# Altium PCB eps-flight.PcbDoc (part 2 of 4) (continued)
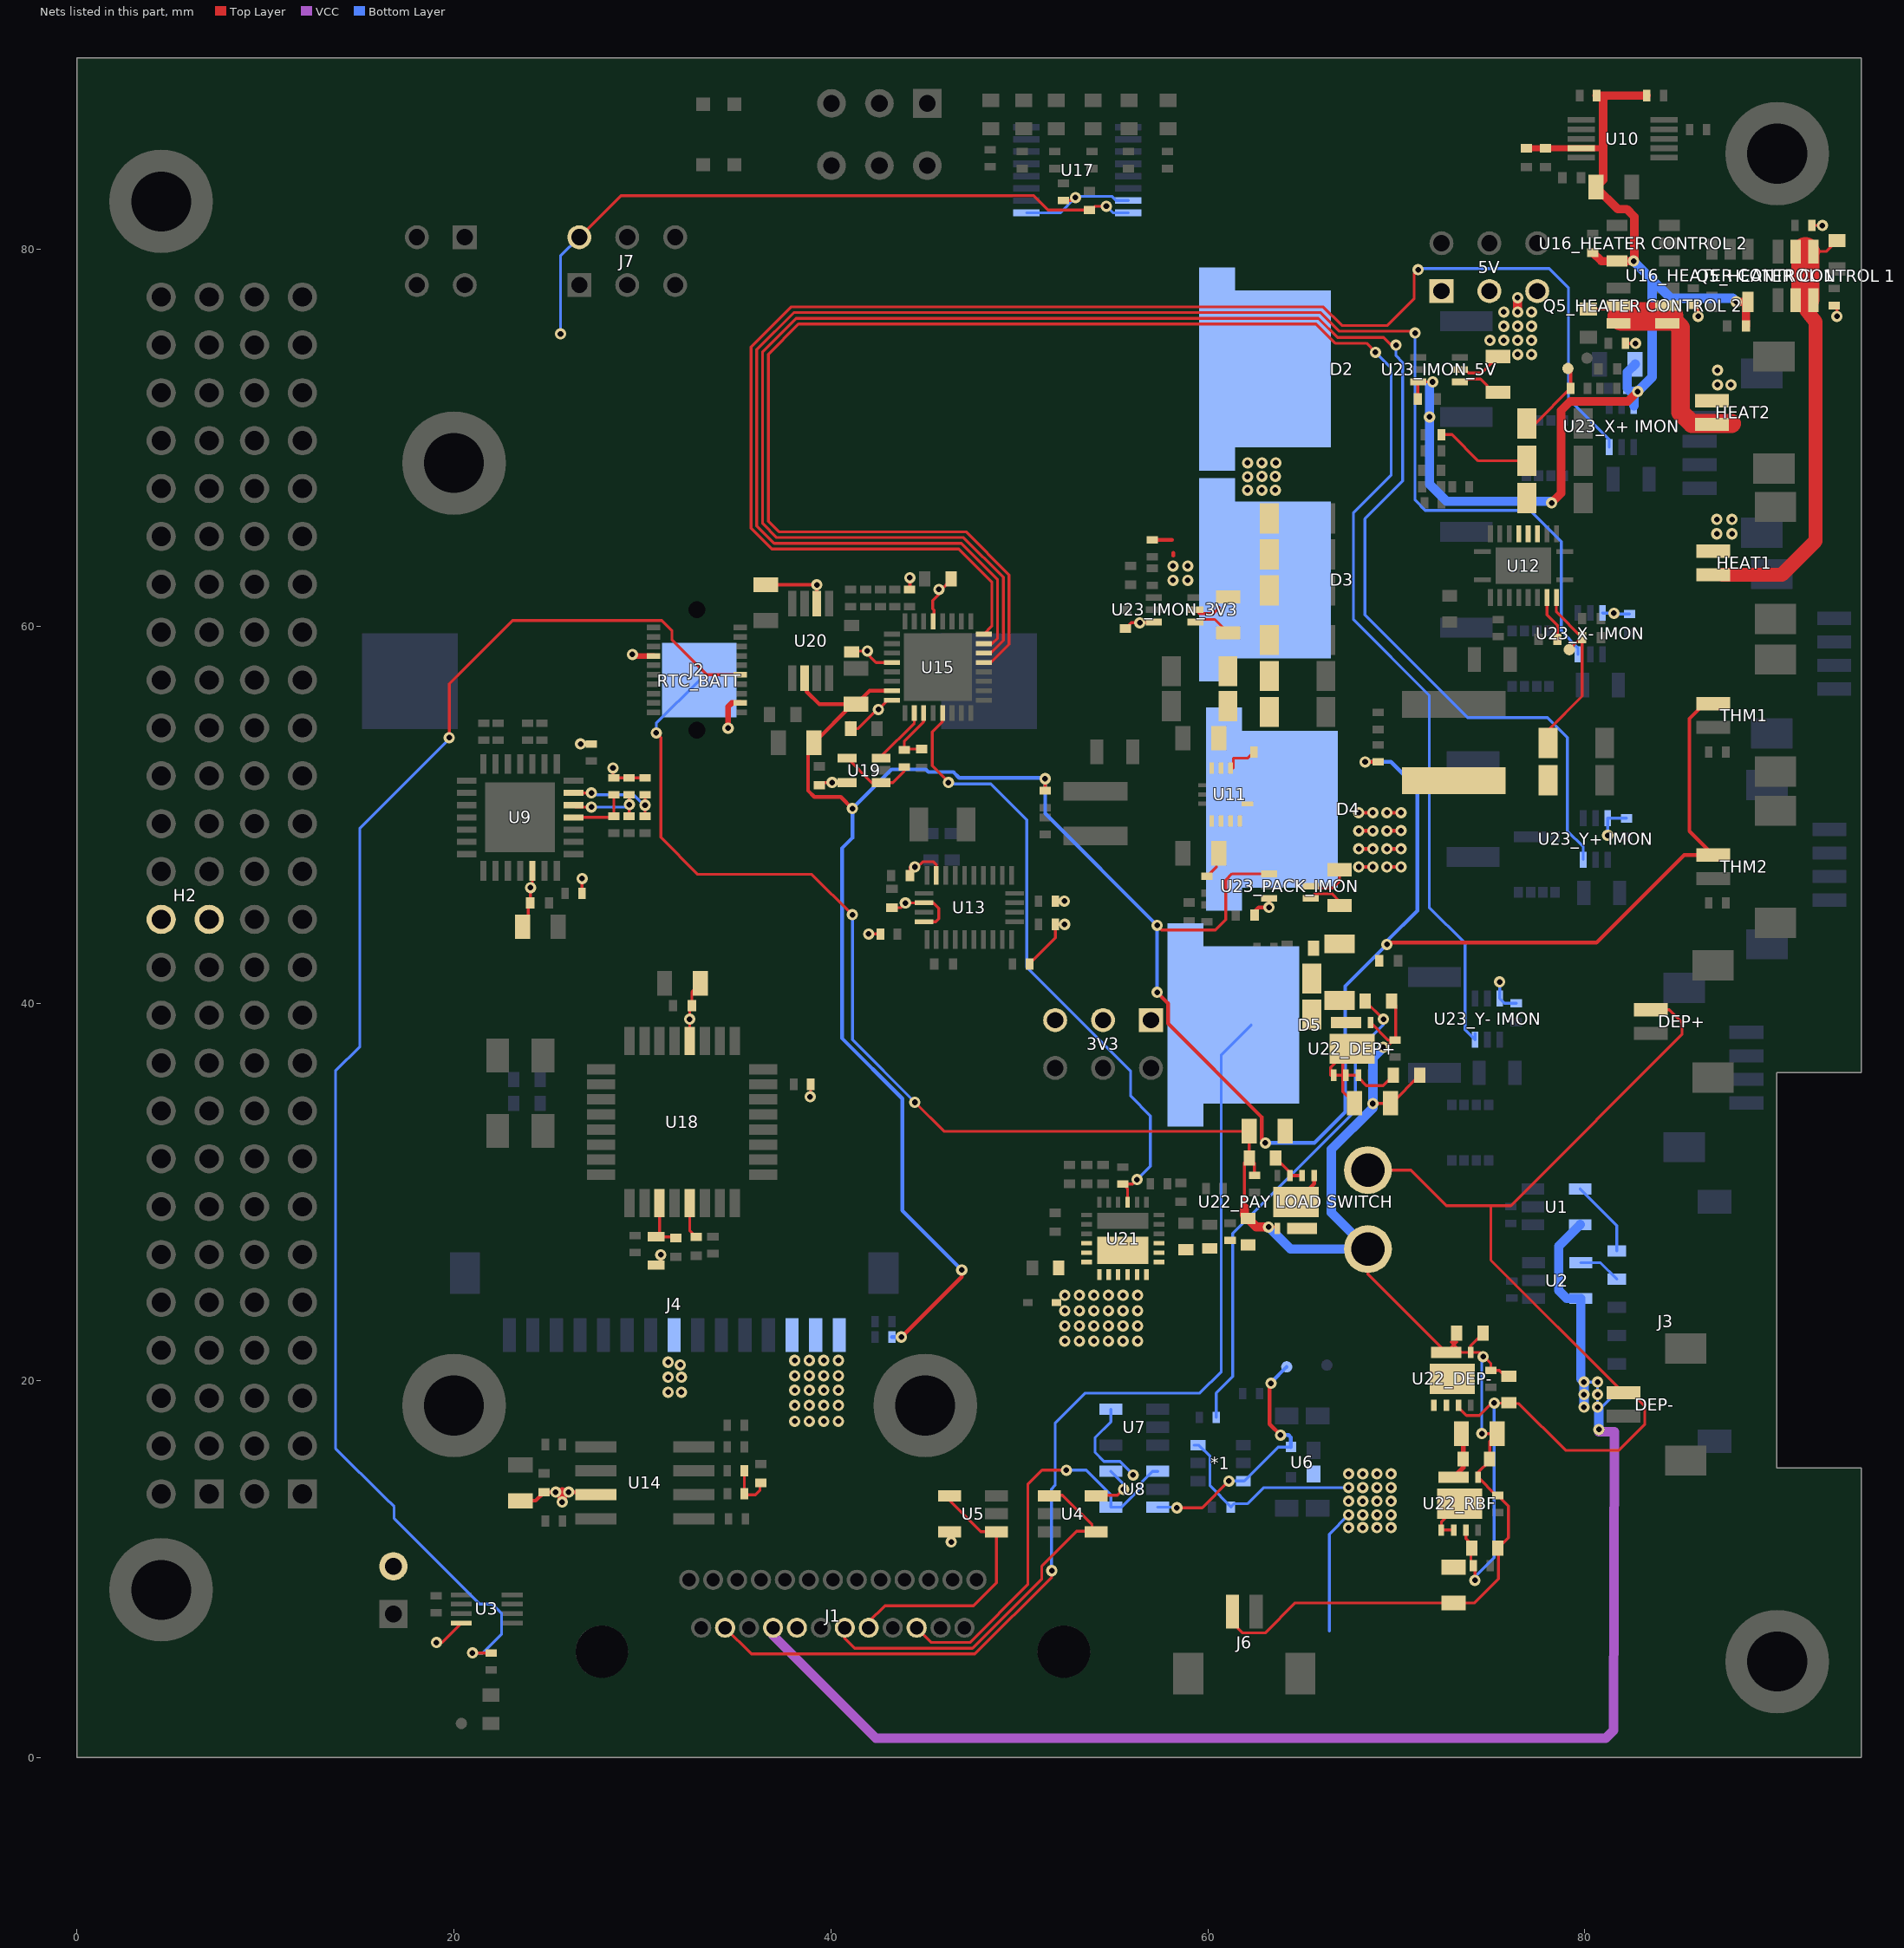
[diagram p4: the nets of this part, all layers, seen from the top]
## Part data (continued)
U17: "Hex non-inverting buffer with 3-state outputs", Supplier Part Number 1=296-33932-5-ND, Supplier 1=Digi-Key
U18: library part ATMEGA64M1_QFP, "Atmel 8-bit AVR microcontroller.", Supplier Part Number 1=ATMEGA64M1-AU-ND, Supplier 1=Digi-Key
U19: "Low power, low noise rail-to-rail op-amp.", Supplier Part Number 1=AD8613AKSZ-REEL7CT-ND, Supplier 1=Digi-Key
U20: "Voltage Reference", Supplier Part Number 1=296-41382-1-ND, Supplier 1=Digi-Key
U21: library part TPS25982, "2.7 - 24 V input supply, 15 A max load current", Manufacturer="Texas Instruments", Manufacturer Part Number=TPS259822LNRGER, Supplier Part Number 1=296-53584-1-ND, ComponentLink1Description=https://octopart.com/click/track?ak=2673a2b2&ct=datasheets&sig=0dd3cb2&at=physicalpart&sid=370&ppid=103121101&hlid=28341978&src-supplier=TI+store, ComponentLink1URL=https://octopart.com/click/track?ak=2673a2b2&ct=datasheets&sig=0dd3cb2&at=physicalpart&sid=370&ppid=103121101&hlid=28341978&src-supplier=TI+store, ComponentLink2Description=http://sigma.octopart.com/102096900/technical_drawing/Texas-Instruments-TPS259822LNRGER.pdf?src-supplier=TI+store, ComponentLink2URL=http://sigma.octopart.com/102096900/technical_drawing/Texas-Instruments-TPS259822LNRGER.pdf?src-supplier=TI+store, Pricing 1="1=3.96, 10=3.559, 100=2.9163, 500=2.48262, 1000=2.09378 (USD)", Stock 1=3000, Supplier 1=Digi-Key
U22_DEP+ U22_DEP- "U22_PAY LOAD SWITCH" U22_RBF: "5.5V, 15A, 4.4mΩ Load Switch with Quick Output Discharge 8-WSON -40 to 85", Manufacturer="Texas Instruments", Max Operating Temperature=85°C, Min Operating Temperature=-40°C, Package="WSON-8 Texas Instruments", Quiescent Current=20.4uA, Supplier Part Number 1=296-47872-1-ND, ComponentLink1Description=http://www.ti.com/general/docs/lit/getliterature.tsp?genericPartNumber=TPS22959&&fileType=pdf&src-supplier=Avnet, ComponentLink1URL=http://www.ti.com/general/docs/lit/getliterature.tsp?genericPartNumber=TPS22959&&fileType=pdf&src-supplier=Avnet, Digi-Key_Part_Number=296-47872-1-ND, Digi-Key_Purchase_URL=https://www.digikey.ca/product-detail/en/texas-instruments/TPS22959DNYT/296-47872-1-ND/8133221?utm_source=snapeda&utm_medium=aggregator&utm_campaign=symbol, Lead Free="Lead Free", Manufacturer Part Number=TPS22959DNYT, MF="Texas Instruments", Mount="Surface Mount", MP=TPS22959DNYT, Number of Channels=1, Number of Outputs=1, Number of Pins=8, Pricing 1="1=1.91, 10=1.711, 100=1.3756 (USD)", SnapEDA_Link=https://www.snapeda.com/parts/TPS22959DNYT/Texas%20Instruments/view-part/?ref=snap, Stock 1=2432, Supplier 1=Digi-Key
U23_IMON_3V3 U23_IMON_5V U23_PACK_IMON "U23_X+ IMON" "U23_X- IMON" "U23_Y+ IMON" "U23_Y- IMON": "IC CURR SENSE 1 CIRCUIT SC70-6", Supplier Part Number 1=296-51151-1-ND, ComponentLink1Description=Datasheet, ComponentLink1URL=http://www.ti.com/general/docs/suppproductinfo.tsp?distId=10&gotoUrl=http%3A%2F%2Fwww.ti.com%2Flit%2Fgpn%2Fina213-q1, Supplier 1=Digi-Key
Y1: "3.2 x 1.5mm, 32.768KHZ Xtal 6pf, 20ppm, -40+85C, ESR 60kOhm, ST Micro Ref Design Crystal for STM32L", Case/Package=SMD/SMT, ESR (Equivalent Series Resistance)=55kR, Frequency=32.768kHz, Frequency Tolerance=20ppm, Load Capacitance=6pF, Manufacturer=Abracon, Max Operating Temperature=85°C, Min Operating Temperature=-40°C, Package="SMD-2 Abracon", Package Quantity=3000, Series Resistance=60kR, Supplier Part Number 1=535-11937-1-ND, Availability=Good, ComponentLink1Description=https://www.verical.com/server-webapp/html/getDatasheet?partID=722402&src-supplier=Verical, ComponentLink1URL=https://www.verical.com/server-webapp/html/getDatasheet?partID=722402&src-supplier=Verical, ComponentLink2Description=https://abracon.com/Support/PackageDrawing/Resonators/ABS07-120.PDF?src-supplier=Digi-Key, ComponentLink2URL=https://abracon.com/Support/PackageDrawing/Resonators/ABS07-120.PDF?src-supplier=Digi-Key, ComponentLink3Description=http://www.mouser.com/ds/2/3/ABS07-120-32.768kHz-T-218607.pdf?src-supplier=Mouser, ComponentLink3URL=http://www.mouser.com/ds/2/3/ABS07-120-32.768kHz-T-218607.pdf?src-supplier=Mouser, Depth=1.5mm, Height=0.035inch, Lead Free="Lead Free", Length=3.2mm, Manufacturer Part Number=ABS07-120-32.768KHZ-T, MF=Abracon, Mount="Surface Mount", MP=ABS07-120-32.768KHZ-T, Number of Pins=2, Packaging="Tape and Reel", Price="0.37 USD", Pricing 1="1=0.57, 10=0.473, 50=0.4258, 100=0.3784, 500=0.35948, 1000=0.30272 (USD)", Radiation Hardening=No, REACH SVHC="No SVHC", SnapEDA_Link=https://www.snapeda.com/parts/ABS07-120-32.768KHZ-T/Abracon%20LLC/view-part/?ref=snap, Stock 1=213739, Supplier 1=Digi-Key, Termination=SMD/SMT, Tolerance=20ppm, Width=0.061inch
Y2: library part AMB3B-8MHz, "8MHz Abracom 4-pin crystal.", Supplier Part Number 1=535-13456-1-ND, Supplier 1=Digi-Key

## Free pads (board coordinates)
  round 0.6 smd: 3(20.392,1.8) 5(79.171,58.771) 6(80.106,74.238) 7(79.1,73.69)
  round 0.6 smd far side: 11(66.31,20.81) 13(64.18,20.72)
  round 5.5 hole 3.18 unplated: ""(4.47,8.89) ""(4.47,82.55) ""(20,18.67) ""(20,68.67) ""(45,18.67) ""(90.2,85.09)
  round 5.5 hole 3.18: ""(90.2,5.08)

## Via types
v1: diameter 0.6, hole 0.3, Top Layer to Bottom Layer, tented both sides, 693 vias

## Nets (pads, with @x,y where several pads share a name; then routed paths per layer and width w, separated by ;. In a path a pad name is that pad's centre, name@x,y a point inside that pad or via, vN(x,y) a via of type N, cw(c..) or ccw(c..) an arc to the next point about the centre after c; other vN are vias at no path point)
+2V5: C42.2 C55.2 R58.2 R59.2 R60.2 THM1.1 THM2.1 U15.31 U20.6 U23_PACK_IMON.1 | length 147.9
  Top Layer w0.152: v1(57.302,44.145) 57.546,43.902 60.39,43.902 60.94,44.451 60.94,46.54 61.278,46.878 U23_PACK_IMON.1@63.243,46.878
  Top Layer w0.2: U20.6@38.6,57.264 38.71,57.154 38.71,56.547 39.382,55.875 C42.2@41.142,55.875 ; v1(41.137,50.342) 40.524,50.955 39.123,50.955 38.786,51.292 38.786,53.519 C55.2@39.105,53.837 C42.2@41.142,55.875 ; U15.31@43.237,56.591 42.049,56.591 C42.2@41.333,55.875 C42.2@41.142,55.875 ; v1(43.738,22.302) 46.939,25.503 v1(46.939,25.857) ; R59.2@51.365,51.287 v1(51.365,51.924) ; v1(57.302,40.589) 57.887,40.005 57.887,38.935 62.847,33.975 62.847,32.801 v1(63.047,32.601) ; v1(68.34,52.818) R60.2@69.027,52.818 ; v1(69.494,43.129) 69.494,43.224 80.613,43.224 85.265,47.877 THM2.1@86.807,47.877 85.541,49.143 85.541,55.112 86.208,55.778 86.684,55.778 THM1.1@86.807,55.901
  Bottom Layer w0.2: R58.2@43.236,22.302 v1(43.738,22.302) ; v1(46.939,25.857) 43.786,29.011 43.786,34.955 40.585,38.156 40.585,48.232 41.137,48.785 v1(41.137,50.342) 43.213,52.418 45.034,52.418 45.172,52.28 46.14,52.28 46.497,52.28 46.805,51.971 51.317,51.971 v1(51.365,51.924) 51.365,50.083 v1(57.302,44.145) v1(57.302,40.589) ; v1(63.047,32.601) 65.649,32.601 67.285,34.236 67.285,40.919 v1(69.494,43.129) 69.494,43.307 71.107,44.92 71.107,51.423 69.712,52.818 v1(68.34,52.818)
+3V3: 3V3.1 3V3.3 3V3.5 "C43_HEATER CONTROL 1.2" "C43_HEATER CONTROL 2.2" "C66_X+ IMON.2" "C66_X- IMON.2" "C66_Y+ IMON.2" "C66_Y- IMON.2" "U16_HEATER CONTROL 1.5" "U16_HEATER CONTROL 2.5" "U23_X+ IMON.3" "U23_X- IMON.3" "U23_Y+ IMON.3" "U23_Y- IMON.3" C3.2 C4.2 C5.2 C6.2 C16.2 C17.2 C18.2 C32.2 C33.2 C36.2 C37.2 C39.2 C40.2 C41.2 C44.2 C45.2 C46.2 C51.2 C53.2 C66_IMON_3V3.2 C66_IMON_5V.2 C66_PACK_IMON.2 C67.2 C72.2 J1.21 J2.4 J2.13 J4.8 J7.2 L3.1 P1.2 R19.2 R20.2 R21.2 R22.2 R23.2 R27.2 R28.2 R31.2 R33.2 R45.2 R46.2 R47.2 R48.2 R64.2 R74.2 U3.8 U4.5 U5.5 U7.5 U8.5 U9.5 U10.9 U13.3 U13.5 U13.28 U14.3 U15.21 U15.28 U15.32 U17.16 U18.4 U19.5 U20.2 U23_IMON_3V3.3 U23_IMON_3V3.5 U23_IMON_5V.3 U23_PACK_IMON.3 | length 163.8
  Top Layer w0.152: v1(19.072,6.096) 19.364,6.096 U3.8@20.392,7.124 ; C3.2@23.646,44.324 23.946,44.624 23.946,45.086 24.055,45.195 24.055,46.111 24.084,46.14 v1(24.058,46.14) 24.16,46.243 U9.5@24.16,47.036 ; J7.2@26.653,80.657 28.86,82.864 50.755,82.864 51.52,82.098 C44.2@53.719,82.098 ; v1(26.718,53.766) R20.2@27.298,53.766 ; R19.2@26.795,45.84 v1(26.795,46.627) ; v1(28.437,52.489) 28.437,51.97 R22.2@29.296,51.97 30.135,51.97 R21.2@30.139,51.966 ; L3.1@30.724,26.118 30.973,26.367 v1(30.973,26.67) ; U18.4@32.507,38.01 v1(32.507,39.163) 32.507,39.76 C46.2@32.625,39.878 32.625,40.622 C45.2@33.075,41.072 ; R74.2@38.879,35.665 R74.2@38.891,35.653 ; v1(38.891,35.052) 38.925,35.086 R74.2@38.925,35.71 ; C51.2@39.377,51.583 39.514,51.72 v1(40.064,51.72) U19.5@40.857,51.72 ; C39.2@40.994,54.4 40.994,54.913 41.33,54.578 41.428,54.578 42.452,55.601 v1(42.513,55.601) 43.003,56.091 U15.32@43.237,56.091 ; C41.2@41.075,58.699 v1@41.786,58.699 ; v1(41.935,58.699) v1@41.786,58.699 ; v1(42.005,43.688) R47.2@42.628,43.688 ; C33.2@43.236,45.078 43.697,45.078 v1(43.95,45.331) ; U15.28@43.237,58.091 42.395,58.091 v1@41.786,58.699 ; 43.688,45.078 43.941,45.331 v1(43.95,45.331) ; C32.2@44.188,46.79 44.188,47.244 v1(44.45,47.244) 44.596,47.244 44.871,47.519 45.439,47.519 45.59,47.367 U13.28@45.59,46.79 ; U13.5@44.94,44.34 45.57,44.34 45.72,44.49 45.72,45.05 45.439,45.331 U13.3@44.931,45.331 ; U13.3@45.389,45.34 U13.3@44.94,45.34 U13.3@44.931,45.331 ; U15.21@45.422,60.276 45.468,60.321 45.468,60.865 45.394,60.939 45.394,61.377 45.724,61.707 v1(45.724,61.97) 45.747,61.97 45.806,61.91 C40.2@46.372,62.476 ; U5.5@46.285,11.974 46.38,11.878 v1(46.38,11.43) ; R46.2@50.535,42.1 51.91,43.475 R45.2@51.91,44.196 v1(52.396,44.196) ; R48.2@51.91,45.428 v1(52.388,45.428) ; C44.2@53.775,82.042 54.029,82.296 v1(54.61,82.296) ; U4.5@53.855,13.904 55.204,13.904 v1(55.524,14.224) ; C66_IMON_3V3.2@55.626,59.898 55.926,60.198 v1(56.388,60.198) 57.086,60.198 U23_IMON_3V3.3@57.126,60.237 ; U23_IMON_3V3.5@59.326,60.887 59.533,60.68 60.275,60.68 60.615,61.02 ; C66_IMON_5V.2@71.13,72.07 71.13,72.95 U23_IMON_5V.3@71.159,72.979 v1(71.922,72.979) ; v1(81.534,60.706) v1@81.694,60.546 ; v1(43.95,45.331) U13.3@44.931,45.331
  Top Layer w0.2: C36.2@23.523,13.616 24.334,13.616 C37.2@24.79,14.072 v1(25.4,14.072) 25.744,14.072 v1(26.088,14.072) 27.386,14.072 U14.3@27.527,13.931 ; C53.2@36.55,62.215 v1(39.25,62.215) U20.2@39.25,61.214 ; R64.2@44.171,62.07 44.19,62.09 v1(44.19,62.586) v1@44.19,62.738 ; R33.2@57.048,64.595 58.093,64.595 ; 58.166,63.753 58.166,63.906 ; C66_PACK_IMON.2@62.476,44.883 62.691,45.098 v1(63.243,45.098) U23_PACK_IMON.3@63.243,45.578
  Top Layer w0.3: v1(29.464,58.521) 29.545,58.44 J2.13@30.59,58.44 ; v1(34.544,54.61) 34.538,54.616 34.538,55.743 34.735,55.94 J2.4@35.19,55.94 ; C5.2@76.887,85.376 C6.2@77.903,85.376 U10.9@79.799,85.376 80.964,85.376
  Top Layer w0.45: v1(78.232,66.562) 78.74,67.07 78.74,71.462 79.222,71.943 82.281,71.943 v1(82.804,72.466) ; 80.416,79.837 80.866,79.387 81.694,79.387 v1(82.578,79.387) 82.621,79.431 82.621,81.744 82.221,82.144 81.752,82.144 C67.2@80.584,83.312 80.964,83.692 80.964,85.376 80.964,88.005 81.129,88.17 ; R27.2@80.624,88.17 81.129,88.17 ; R28.2@83.28,88.17 81.129,88.17 ; v1(88.036,77.222) 88.644,77.222 88.544,77.122 88.544,75.946
  Top Layer w0.5: v1(25.744,13.549) 25.744,14.072
  Bottom Layer w0.152: v1(25.654,75.53) 25.654,79.658 J7.2@26.653,80.657 ; v1(29.464,58.521) v1@29.602,58.521 ; v1(54.61,82.296) 54.958,81.948 U17.16@55.774,81.948 ; U8.5@54.85,15.174 55.524,14.5 v1(55.524,14.224) ; U7.5@54.85,18.468 54.85,17.801 54.012,16.963 54.012,16.173 54.485,15.7 55.342,15.7 56.032,15.01 v1(56.032,14.986) ; v1(75.476,41.148) 75.476,40.273 75.735,40.014 76.354,40.014 ; 80.93,60.721 80.945,60.706 v1(81.534,60.706) 81.578,60.662 82.366,60.662 ; v1(81.208,48.914) 81.208,49.833 81.216,49.825 82.2,49.825
  Bottom Layer w0.5: v1(71.922,72.979) 71.755,72.812 v1(71.755,71.12) 71.755,67.552 72.664,66.642 78.151,66.642 v1(78.232,66.562) ; v1(82.578,79.387) 83.566,78.399 ; 82.59,71.712 82.59,72.253 v1(82.804,72.466) ; C72.2@82.664,73.914 82.244,73.494 82.244,72.644 82.422,72.466 v1(82.804,72.466) ; v1(88.036,77.222) 87.848,77.41 84.555,77.41 83.566,78.399 ; v1(82.804,72.466) 83.566,73.228 83.566,78.399
  other v1: 31.364,19.376 32.064,19.376 31.364,20.172 32.064,20.172 32.004,20.828 31.364,20.968 58.148,62.451 58.928,62.451 58.141,63.212 58.928,63.213 62.103,67.237 62.865,67.237 63.574,67.237 62.103,67.948 62.865,67.974 63.576,67.974 62.103,68.685 62.865,68.685 63.602,68.685
+3V3_R: C9.2 C10.2 C11.2 C12.2 C13.2 C14.2 R31.1 R32.2 U11.12 U11.13 U11.14 U23_IMON_3V3.4 | length 4
  Top Layer w0.152: U23_IMON_3V3.4@59.326,60.237 59.464,60.376 60.363,60.376 R31.1@61.071,59.668 ; U11.12@61.195,52.489 61.347,52.489 61.347,53.017 62.118,53.017 R32.2@62.44,53.34
+5V: 5V.1 5V.3 5V.5 "R65_HEATER CONTROL 1.2" "R65_HEATER CONTROL 2.2" "R66_HEATER CONTROL 1.1" "R66_HEATER CONTROL 2.1" H2.25 H2.26 HEAT1.1 HEAT2.1 J1.22 J3.6 R38.2 U1.5 U2.5 U23_IMON_5V.5 | length 85.6
  Top Layer w0.152: U23_IMON_5V.5@73.359,73.629 73.652,73.629 73.83,73.45 74.516,73.45 R38.2@75.391,74.325 ; 82.144,75.021 v1(82.682,75.021) ; 85.75,77.046 86.006,76.79 v1(86.006,76.454) ; 92.042,81.28 v1(92.601,81.28) ; v1(93.37,76.454) 93.37,77.072
  Top Layer w0.5: v1(76.426,76.684) v1(76.426,77.442)
  VCC w0.5: J1.22@36.925,6.88 36.925,6.477 42.386,1.016 81.1,1.016 81.52,1.436 81.561,17.275 80.743,17.275 v1(80.743,17.395)
  Bottom Layer w0.152: v1(79.948,19.912) v1(80.671,19.912) v1(80.671,19.245) v1(80.671,18.578) ; v1@80.889,18.578 J3.6@81.687,19.376
  Bottom Layer w0.2: v1(80.671,18.578) v1@80.889,18.578
  Bottom Layer w0.5: U1.5@79.747,28.262 78.609,27.124 78.609,24.769 79.032,24.346 U2.5@79.779,24.346 79.779,20.081 v1(79.948,19.912) v1(79.948,19.245) v1(79.948,18.578) ; v1(80.671,18.578) 80.743,18.506 v1(80.743,17.395)
  other v1: 86.998,64.919 87.798,64.919 86.998,65.681 87.798,65.681 87.034,72.828 87.745,72.828 87.034,73.59 76.426,74.434 77.161,74.434 74.958,75.184 75.692,75.184 76.426,75.184 77.161,75.184 75.692,75.934 76.426,75.934 77.161,75.934 75.692,76.684 77.161,76.684
+5V_R: C26.2 C27.2 C28.2 pad.7 R38.1 R39.2 R40.2 U12.14 U12.15 U12.16 U23_IMON_5V.4 | length 11.7
  Top Layer w0.152: R39.2@72.388,70.183 72.948,70.183 74.339,68.791 C27.2@76.913,68.791 ; U23_IMON_5V.4@73.359,72.979 73.66,72.979 73.812,73.13 74.46,73.13 75.166,72.425 R38.1@75.391,72.425 ; C28.2@76.913,70.766 77.362,70.766 R40.2@79.24,72.644
  Top Layer w0.2: pad.7@79.1,73.69 79.24,73.55 R40.2@79.24,72.644
+HEAT1: "D6_HEATER CONTROL 1.2" "Q5_HEATER CONTROL 1.1" "Q5_HEATER CONTROL 1.2" "Q5_HEATER CONTROL 1.5" "Q5_HEATER CONTROL 1.6" HEAT1.2 | length 29.2
  Top Layer w0.152: 91.438,77.307 91.438,79.897 ; 92.124,79.897 92.795,79.897 93.37,80.473
  Top Layer w0.75: HEAT1.2@87.307,62.748 90.445,62.748 92.234,64.538 92.234,76.162 91.728,76.804 ; 91.438,77.307 91.592,77.307 91.728,76.804 ; 91.438,79.897 91.592,79.489 91.728,79.366 ; 92.124,79.897 91.728,79.366 ; 91.728,76.804 91.728,79.366
  Top Layer w1.5: 91.694,77.368 91.694,79.908
+HEAT2: "D6_HEATER CONTROL 2.2" "Q5_HEATER CONTROL 2.1" "Q5_HEATER CONTROL 2.2" "Q5_HEATER CONTROL 2.5" "Q5_HEATER CONTROL 2.6" HEAT2.2 | length 12.5
  Top Layer w0.15: 80.185,76.845 81.604,76.845 81.779,77.019
  Top Layer w1: 84.48,76.454 85.071,75.864 85.071,71.368 85.666,70.773 87.782,70.773
  Top Layer w1.5: 81.94,76.454 84.48,76.454
+PACK: C8.2 C20.2 C21.2 C22.2 D2.3 D3.3 D4.3 D5.3 J1.24 L2.1 pad.5 R5.2 R6.2 U11.4 U11.5 U11.6 U11.7 U11.8 U12.9 U23_PACK_IMON.5 | length 76.6
  Top Layer w0.152: J1.24@34.385,6.88 35.779,5.486 47.632,5.486 51.714,9.569 v1(51.714,9.906) ; R6.2@59.952,46.754 60.452,47.254 60.452,47.85 C8.2@60.575,47.973 ; U23_PACK_IMON.5@65.443,46.228 65.553,46.118 65.561,46.126 66.627,46.126 66.983,46.482 R5.2@66.983,47.09 ; C20.2@78.047,53.817 78.047,54.496 79.855,56.305 C22.2@79.855,59.403 C22.2@79.829,59.429 ; U12.9@78.486,61.542 78.486,60.772 C22.2@79.829,59.429 ; pad.5@79.171,58.771 C22.2@79.829,59.429
  Top Layer w0.2: v1(67.997,47.244) v1(68.746,47.244) ; v1(67.997,48.203) v1(68.746,48.203) ; v1(67.997,49.161) v1(68.746,49.161) ; v1(67.997,50.12) v1(68.746,50.12) ; v1(69.494,47.244) v1(70.243,47.244) ; v1(69.494,48.203) 70.239,48.203 v1(70.243,48.207) ; v1(69.494,49.161) 69.503,49.169 v1(70.243,49.169) ; v1(69.494,50.12) v1(70.243,50.12)
  Bottom Layer w0.152: v1(51.714,9.906) 51.694,9.927 51.694,14.237 51.894,14.437 51.894,17.718 53.5,19.325 59.573,19.325 60.706,20.457 60.706,37.273 D5.3@62.295,38.862
+PACK_DEP: C63_DEP+.2 L4.1 R3.2 U22_DEP+.8 | length 26.2
  Top Layer w0.152: C63_DEP+.2@68.34,40.132 v1(69.309,39.163)
  Bottom Layer w0.152: R3.2@60.437,18.034 60.437,19.326 61.316,20.205 61.316,27.802 67.818,34.305 67.818,37.389 69.309,38.88 v1(69.309,39.163)
+PACK_FILT: C68.2 C69.2 C70.2 C71.2 L4.2 R5.1 U23_PACK_IMON.4 | length 2
  Top Layer w0.152: U23_PACK_IMON.4@65.443,45.578 65.687,45.822 66.573,45.822 66.983,45.412 R5.1@66.983,45.19
+PACK_RAW: "C64_PAY LOAD SWITCH.2" "C65_PAY LOAD SWITCH.2" "U22_PAY LOAD SWITCH.1" "U22_PAY LOAD SWITCH.2" "U22_PAY LOAD SWITCH.3" "U22_PAY LOAD SWITCH.9" C64_DEP+.2 C65_DEP+.2 C65_DEP-.2 C65_RBF.2 DEP+.1 DEP-.1 J5.2 R8.2 U22_DEP+.1 U22_DEP+.2 U22_DEP+.3 U22_DEP+.9 U22_DEP-.3 U22_RBF.3 | length 76.2
  Top Layer w0.152: 63.59,31.804 64.343,31.051 64.343,30.868 ; U22_DEP+.9@67.486,37.592 U22_DEP+.9@67.161,37.267 ; C64_DEP+.2@67.782,34.705 67.161,35.326 67.161,36.192 ; J5.2@68.485,31.159 70.761,31.159 72.647,29.273 75.009,29.273 ; C65_DEP+.2@69.837,36.192 69.287,35.642 68.404,35.642 67.977,36.069 U22_DEP+.3@67.977,36.192 U22_DEP+.2@67.327,36.192 67.161,36.192 ; U22_DEP-.3@73.291,18.684 73.291,18.561 73.718,18.134 74.396,18.134 75.057,18.796 v1(75.184,18.796) 75.929,18.796 75.957,18.767 76.492,18.767 78.971,16.288 81.807,16.288 83.173,17.653 83.173,18.648 82.473,19.348 DEP-.1@82.044,19.348 75.009,26.383 75.009,29.273 ; U22_RBF.3@73.684,12.062 73.684,11.609 73.955,11.338 73.955,10.283 R8.2@74.078,10.16 74.168,10.07 v1(74.168,9.398) ; DEP+.1@83.498,39.668 84.478,39.668 85.149,38.997 85.149,38.354 76.068,29.273 75.009,29.273 ; 67.161,36.192 U22_DEP+.9@67.161,37.267 ; 67.161,36.192 U22_DEP+.1@66.677,36.192 66.511,36.192 66.511,36.617 U22_DEP+.9@67.161,37.267
  Top Layer w0.2: 64.343,30.868 64.993,30.868 ; 64.668,29.468 65.643,30.443 65.643,30.868
  Bottom Layer w0.152: v1(74.168,9.398) 73.988,9.398 75.184,10.594 v1(75.184,18.796)
+PAY: C57.2 D14.1 J4.1 J4.2 J4.3 U21.17 U21.18 U21.19 U21.20 U21.21 U21.22 U21.23 U21.24
  other v1: 38.079,17.837 38.851,17.837 39.624,17.837 40.397,17.837 38.079,18.67 38.851,18.67 39.624,18.67 40.397,18.67 38.079,19.478 38.851,19.478 39.624,19.478 40.397,19.478 38.079,20.251 38.851,20.251 39.624,20.251 40.397,20.251 38.079,21.059 38.851,21.059 39.624,21.059 40.397,21.059 52.404,22.087 53.177,22.087 53.95,22.087 54.722,22.087 55.495,22.087 56.267,22.087 52.404,22.895 53.177,22.895 53.95,22.895 54.722,22.895 55.495,22.895 56.267,22.895 52.404,23.703 53.177,23.703 53.95,23.703 54.722,23.703 55.495,23.703 56.267,23.703 52.404,24.511 53.177,24.511 53.95,24.511 54.722,24.511 55.495,24.511 56.267,24.511
+PAY_LIM: "C63_PAY LOAD SWITCH.2" "U22_PAY LOAD SWITCH.8" C56.2 D13.1 R80.2 U21.1 U21.2 U21.3 U21.16 U21.25
-PACK_DEP: C63_RBF.2 C64_DEP-.2 U22_DEP-.1 U22_DEP-.2 U22_DEP-.9 U22_RBF.8 | length 2.6
  Top Layer w0.254: U22_RBF.8@73.034,14.862 73.546,15.374 73.546,15.728 73.546,17.076 C64_DEP-.2@73.447,17.174
-PACK_RAW: "C63_PAY LOAD SWITCH.1" "C64_PAY LOAD SWITCH.1" "C65_PAY LOAD SWITCH.1" "R84_PAY LOAD SWITCH.1" "U22_PAY LOAD SWITCH.5" C63_DEP+.1 C63_DEP-.1 C63_DEP-.2 C63_RBF.1 C64_DEP+.1 C64_DEP-.1 C64_RBF.1 C65_DEP+.1 C65_DEP-.1 C65_RBF.1 J5.1 J6.2 R84_DEP+.1 R84_DEP-.1 R84_RBF.1 RTC_BATT.2 U22_DEP+.5 U22_DEP-.5 U22_DEP-.8 U22_RBF.5 | length 128.9
  Top Layer w0.152: v1(30.734,54.356) 30.972,54.118 30.972,48.818 32.939,46.85 38.991,46.85 v1(41.137,44.704) ; v1(44.45,34.756) 45.989,33.216 62.19,33.216 62.19,31.804 ; J6.2@61.303,7.738 61.303,7.146 61.845,6.604 63.041,6.604 64.631,8.194 C64_RBF.1@73.034,8.194 74.142,8.194 75.407,9.459 75.407,11.098 C65_RBF.1@75.388,11.098 75.946,11.656 75.946,13.334 R84_RBF.1@75.388,13.892 75.304,13.892 U22_RBF.5@74.334,14.862 74.334,15.116 74.946,15.728 C63_RBF.1@74.946,15.828 74.946,16.773 C64_DEP-.1@75.347,17.174 v1(74.528,17.174) ; 61.937,29.176 61.937,31.551 62.19,31.804 ; 62.465,30.873 62.465,31.529 62.19,31.804 ; v1(63.218,28.14) 63.621,28.14 63.693,28.068 ; J5.1@68.485,26.968 68.485,25.64 U22_DEP-.8@72.641,21.484 73.052,21.895 ; U22_DEP+.5@68.627,38.992 69.557,38.062 R84_DEP+.1@69.837,38.062 ; v1(68.75,34.686) 68.769,34.705 C64_DEP+.1@69.682,34.705 69.75,34.705 C65_DEP+.1@71.237,36.192 ; v1(69.304,37.676) 69.463,37.676 69.837,38.049 R84_DEP+.1@69.837,38.062 ; C63_DEP+.1@69.74,40.132 69.964,39.907 69.964,38.062 R84_DEP+.1@69.93,38.062 R84_DEP+.1@69.837,38.062 ; C63_DEP-.2@73.197,22.228 C63_DEP-.2@73.197,22.508 ; C63_DEP-.1@74.597,22.508 73.941,21.852 U22_DEP-.5@73.941,21.484 ; R84_DEP-.1@75.104,20.629 R84_DEP-.1@75.009,20.534 ; C65_DEP-.1@75.967,20.035 75.469,20.534 R84_DEP-.1@75.009,20.534 ; 73.052,21.895 73.462,21.484 U22_DEP-.5@73.941,21.484 ; 73.052,21.895 73.197,22.04 72.906,22.04 73.052,21.895 ; U22_DEP-.5@73.941,21.484 74.424,21.484 75.009,20.899 R84_DEP-.1@75.009,20.534
  Top Layer w0.5: 61.937,29.176 61.937,28.778 62.128,28.587 62.575,28.14 v1(63.218,28.14)
  Bottom Layer w0.152: v1(30.734,54.356) 30.734,54.864 RTC_BATT.2@33.02,57.15 ; v1(41.137,44.704) 41.137,38.069 v1(44.45,34.756) ; v1(74.528,17.174) 74.528,21.188 v1(74.602,21.262)
  Bottom Layer w0.5: v1(63.218,28.14) 64.39,26.968 J5.1@68.485,26.968 66.548,28.905 66.548,32.258 68.75,34.46 v1(68.75,34.686) 68.75,37.122 v1(69.304,37.676)
-PACK_RBF: *1.6 C1.1 C64_RBF.2 U6.2 U22_RBF.1 U22_RBF.2 U22_RBF.9 | length 19.9
  Top Layer w0.152: U22_RBF.2@73.034,12.062 U22_RBF.1@72.384,12.062 72.384,12.487 U22_RBF.9@73.359,13.462
  Bottom Layer w0.152: *1.6@59.253,16.561 *1.6@59.478,16.561 59.526,16.561 60.107,15.98 60.107,14.406 61.222,13.29 61.394,13.462 62.109,13.462 62.96,14.313 v1(67.462,14.313) ; 66.446,6.706 66.446,11.847 v1(67.462,12.863)
  other v1: 67.462,12.192 68.212,12.192 68.962,12.192 69.712,12.192 68.212,12.863 68.962,12.863 69.712,12.863 67.462,13.588 68.212,13.588 68.962,13.588 69.712,13.588 68.212,14.313 68.962,14.313 69.712,14.313 67.462,15.038 68.212,15.038 68.962,15.038 69.712,15.038
A0: R23.1 R26.2 U9.11 | length 3.3
  Top Layer w0.152: U9.11@26.345,49.871 28.414,49.871 R26.2@28.481,49.938 R23.1@28.481,51.074
A1: R22.1 R25.2 U9.12 | length 4.4
  Top Layer w0.152: U9.12@26.345,50.521 26.447,50.419 v1(27.295,50.419) v1@27.32,50.444 ; R25.2@29.296,49.938 29.21,50.024 29.307,50.121 v1(29.307,50.546) 29.307,50.888 29.21,50.985 R22.1@29.296,51.07
  Bottom Layer w0.152: v1(27.295,50.419) 29.18,50.419 v1(29.307,50.546)
A2: R21.1 R24.2 U9.13 | length 5.2
  Top Layer w0.152: U9.13@26.345,51.171 v1(27.298,51.171) ; R24.2@30.139,49.934 v1(30.139,50.521) R21.1@30.139,51.066
  Bottom Layer w0.152: v1(27.298,51.171) 27.395,51.075 29.526,51.075 30.079,50.521 v1(30.139,50.521)
ADC_AINP: C52.2 R77.2 U15.3 | length 3.3
  Top Layer w0.152: C52.2@44.805,53.5 43.94,53.5 R77.2@43.89,53.45 43.89,53.912 44.922,54.944 U15.3@44.922,55.406
ADC_BUF_OUT: R77.1 U19.1 U19.4 | length 4
  Top Layer w0.152: U19.4@40.857,53.02 42.157,51.72 U19.1@42.657,51.72 43.287,51.72 43.89,52.323 R77.1@43.89,52.55
ADC_CH4: "U23_X+ IMON.6" U15.16 | length 83
  Top Layer w0.152: U15.16@48.107,59.591 48.535,60.018 48.535,62.359 46.787,64.107 40.96,64.107 40.958,64.11 36.864,64.11 35.763,65.21 35.763,74.824 37.901,76.962 66.108,76.962 67.099,75.971 69.53,75.971 70.937,77.379 70.937,78.726 v1(71.146,78.935)
  Bottom Layer w0.152: v1(71.146,78.935) 71.206,78.994 78.098,78.994 79.128,77.965 79.128,72.068 81.29,69.905 81.29,69.512
ADC_CH5: "U23_X- IMON.6" U15.15 | length 87.3
  Top Layer w0.152: U15.15@48.107,59.091 48.55,59.091 48.839,59.38 48.839,62.488 46.913,64.414 36.99,64.414 36.068,65.336 36.068,74.698 38.028,76.657 65.982,76.657 66.973,75.666 70.892,75.666 v1(70.985,75.573)
  Bottom Layer w0.152: v1(70.985,75.573) 70.985,66.709 71.531,66.164 77.088,66.164 78.745,64.507 78.745,59.758 79.63,58.873 79.63,58.521
ADC_CH6: "U23_Y+ IMON.6" U15.14 | length 98.2
  Top Layer w0.152: U15.14@48.107,58.591 48.481,58.591 49.144,59.254 49.144,62.614 47.039,64.719 37.116,64.719 36.375,65.461 36.375,74.573 38.154,76.352 65.856,76.352 66.877,75.331 69.322,75.331 69.723,74.93 v1(69.977,74.93)
  Bottom Layer w0.152: v1(69.977,74.93) 69.977,74.359 70.333,74.003 70.333,67.718 68.33,65.715 68.33,60.623 73.785,55.169 78.013,55.169 79.075,54.106 79.075,49.15 79.908,48.317 79.908,47.633
ADC_CH7: "U23_Y- IMON.6" U15.13 | length 102.4
  Top Layer w0.152: U15.13@48.107,58.091 48.48,58.091 49.449,59.059 49.449,62.741 47.166,65.024 37.242,65.024 36.679,65.587 36.679,74.447 38.28,76.048 65.729,76.048 66.751,75.026 68.409,75.026 v1(68.89,74.545)
  Bottom Layer w0.152: v1(68.89,74.545) 69.724,73.712 69.724,68.047 67.721,66.044 67.721,60.371 71.74,56.351 71.74,45.1 73.644,43.196 73.644,39.593 73.639,39.589 73.639,39.151 73.644,39.147 73.644,38.606 74.176,38.073 74.176,38.412
ADC_CH15: R83.2 U15.5 U21.9 | length 33.3
  Top Layer w0.152: U15.5@45.922,55.406 45.911,55.395 45.911,54.935 45.382,54.406 45.382,52.613 46.228,51.767 v1(46.228,51.727) ; U21.9@55.736,29.443 55.736,30.173 R83.2@55.486,30.423 56.002,30.423 v1(56.236,30.658)
  Bottom Layer w0.152: v1(46.228,51.727) 46.313,51.643 48.483,51.643 50.394,49.732 50.394,41.91 55.901,36.403 55.901,35.084 56.949,34.036 56.949,31.37 v1(56.236,30.658)
ADC_MXO: U15.2 U19.3 | length 3.1
  Top Layer w0.152: U19.3@42.657,53.02 42.657,53.11 44.422,54.875 U15.2@44.422,55.406
ANT_DEP_LED: J2.10 R1.2 | length 78.2
  Top Layer w0.152: v1(19.748,54.102) 19.748,56.957 23.11,60.319 31.035,60.319 31.562,59.791 31.562,59.299 33.421,57.44 J2.10@35.19,57.44 ; v1(20.98,5.54) R1.2@21.965,5.54
  Bottom Layer w0.152: v1(19.748,54.102) 19.748,54.038 15.007,49.297 15.007,37.708 13.716,36.417 13.716,16.398 16.325,13.789 16.339,13.789 16.827,13.301 16.827,12.673 21.371,8.128 22.032,8.128 22.53,7.63 22.53,6.553 21.517,5.54 v1(20.98,5.54)
ANT_REL_A_3V3: J1.18 U5.1 U5.4 | length 14.1
  Top Layer w0.152: J1.18@42.005,6.88 42.005,7.195 42.859,8.048 47.571,8.048 48.775,9.252 U5.1@48.775,11.974 47.953,11.974 46.285,13.642 U5.4@46.285,13.874
ANT_REL_A_5V: J3.2 U2.4 | length 2.3
  Bottom Layer w0.152: U2.4@79.779,26.246 80.817,26.246 J3.2@81.687,25.376
ANT_REL_B_3V3: J1.19 U4.1 U4.4 | length 20.3
  Top Layer w0.152: J1.19@40.735,6.88 40.735,6.315 41.259,5.791 47.505,5.791 51.186,9.472 51.186,10.15 53.04,12.004 53.855,12.004 53.855,12.334 52.285,13.904 U4.1@51.365,13.904
ANT_REL_B_5V: J3.1 U1.4 | length 4.1
  Bottom Layer w0.152: U1.4@79.747,30.162 81.687,28.222 J3.1@81.687,26.876
AREF: C48.2 U18.21 | length 1.9
  Top Layer w0.152: U18.21@32.507,29.41 32.507,27.956 C48.2@32.851,27.612
AVCC: C47.2 L3.2 U18.19 | length 2.9
  Top Layer w0.152: U18.19@30.907,29.41 30.907,27.801 L3.2@30.724,27.618 31.716,27.618 C47.2@31.778,27.556
BOOT: C19.2 U12.8 | length 2.4
  Top Layer w0.152: U12.8@77.986,61.542 77.986,60.62 78.536,60.07 C19.2@78.536,59.322
BUF_EN_N: R67.2 U17.1 U17.15 | length 6.6
  Top Layer w0.152: R67.2@52.282,82.55 R67.2@52.34,82.608 52.819,82.608 v1(52.966,82.756)
  Bottom Layer w0.152: U17.1@50.374,81.948 52.159,81.948 v1(52.966,82.756) 53.035,82.825 54.892,82.825 55.118,82.598 U17.15@55.774,82.598
C_GATE: *1.3 pad.13 U6.4 U8.3 | length 13.8
  Top Layer w0.152: v1(58.355,13.241) 59.693,13.241 v1(61.112,14.661)
  Top Layer w0.2: v1(63.34,19.85) 63.34,19.77 63.27,19.7 63.27,17.68 v1(63.85,17.1)
  Bottom Layer w0.152: U8.3@57.34,13.274 58.322,13.274 v1(58.355,13.241) ; v1(61.112,14.661) *1.3@61.878,14.661 61.926,14.661 63.729,16.463 U6.4@64.4,16.463
  Bottom Layer w0.2: v1(63.34,19.85) 63.34,19.88 pad.13@64.18,20.72 ; v1(63.85,17.1) 64.28,17.1 64.4,16.98 U6.4@64.4,16.463
C_GATE_BUFF: J1.16 U8.1 U8.4 | length 22.2
  Top Layer w0.152: J1.16@44.545,6.88 45.329,6.096 47.379,6.096 50.444,9.161 50.444,14.482 51.202,15.24 v1(52.493,15.24)
  Bottom Layer w0.152: v1(52.493,15.24) 53.551,15.24 54.85,13.941 U8.4@54.85,13.274 55.403,13.274 56.502,14.373 56.502,14.619 57.057,15.174 U8.1@57.34,15.174
CAN_CM_F: C38.2 R49.1 R53.1 | length 2.6
  Top Layer w0.152: R53.1@35.403,15.201 35.403,13.931 35.999,13.931 36.231,14.164 C38.2@36.231,14.566